# Allegro board RK_TABLET_DEMO1_RK3576_LP4XD200P132SD6_V12_20240530YWQ.brd (continued)
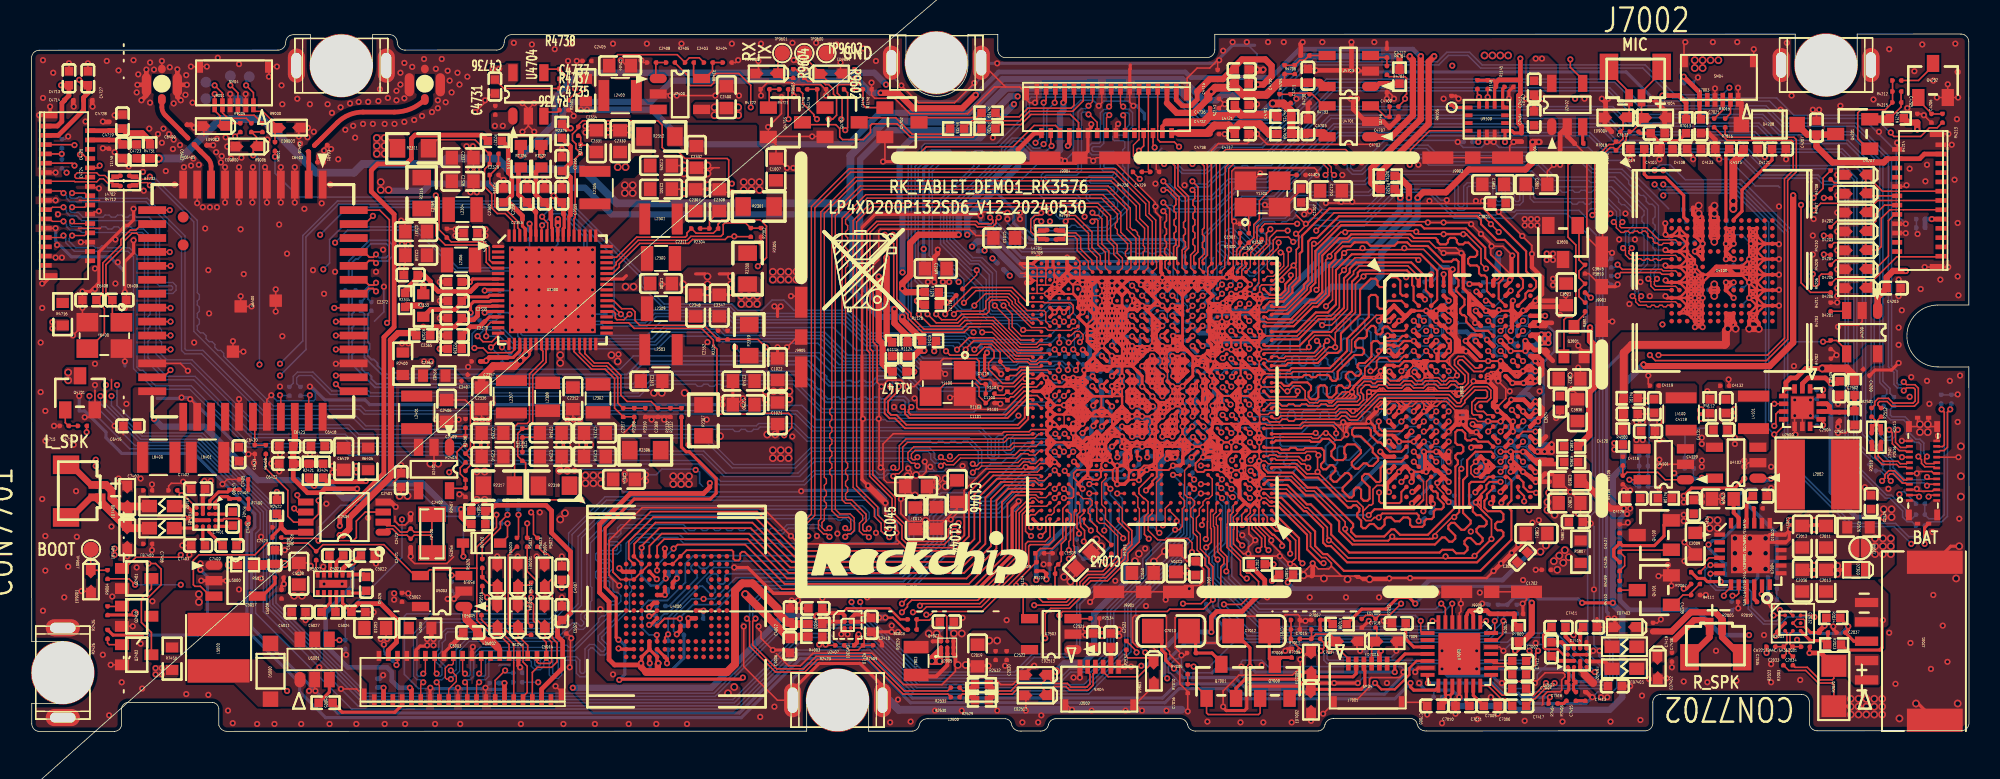
[diagram p0: board, top side]
## Routing (per net, layer and track width the routed paths; a pad name or vN(x,y) marks a point on that pad's centre or on a via; arc(x,y) is an arc through that point) (continued)
VBAT_N: length 16
  TOP w0.089: 114.43,7.16 114.34,7.24 113.9,7.24 U2003.B2 113.9,6.74 114.43,6.74 114.43,7.16
  TOP w0.102: R2020.2 116.29,3.43 116.19,3.33 115.4,3.33 114.58,4.14 113.79,4.14 R2003.1
  TOP w0.203: C2035.1 v1(111.95,5.07) ; v1(114.72,5.07) 114.72,5.45 C2034.2 ; 114.43,6.74 114.79,6.38 C2032.2
  TOP w0.305: C2032.2 115.36,6.49 v1(115.7,6.83) 115.7,7.19 115.81,7.3 R2024.1 ; R2020.2 115.46,5.07 v1(114.72,5.07)
  L4-SIG w0.305: v1(111.95,5.07) v1(114.72,5.07) 114.72,5.85 v1(115.7,6.83)
VBAT_P: length 44.9
  TOP w0.203: R2023.1 117.12,5.26 119.26,5.26 119.41,5.41 119.41,7.04
  TOP w0.406: R4216.1 121.08,39.33 C4206.1 v1(121.68,38.89)
  L4-SIG w0.406: v1(119.46,7.19) 123.78,11.51 123.78,19.43 122.81,20.4 119.21,20.4 118.6,21.01 118.6,23.55 119.87,24.82 119.87,33.1 120.12,33.35 120.12,36.25 121.68,37.8 v1(121.68,38.89)
VBUS_TYPEC: length 131.5
  TOP w0.203: v1(122.15,12.12) 122.15,13.17 J2501.28 ; R2330.1 41.94,18.36 42.24,18.06 42.45,18.06 44.17,16.33 44.17,15.38 43.8,15.01 38.89,15.01 37.01,13.13 37.01,9.32 37.72,8.61 37.72,6.07 v1(37.87,5.92) ; v1(37.93,3.33) 37.98,3.38 45.8,3.38 v1(45.9,3.48)
  TOP w0.305: C2502.1 116.52,22.48 v1(116.11,22.48) 115.75,22.83 114.63,22.83 114.26,22.46 U2500.2
  L4-SIG w0.203: v1(122.15,12.12) 122.15,11.25 119.36,8.46 114.96,8.46 113.28,6.78 104.52,6.78 101.17,3.43 100.41,3.43 98.58,1.6 96.14,1.6 96.04,1.7 77.9,1.7 77.4,1.19 75.57,1.19 74.7,2.06 59.11,2.06 56.52,4.65 49.1,4.65 48.39,3.94 46.36,3.94 v1(45.9,3.48)
  BOTTOM w0.203: v1(37.93,3.33) 38.28,3.68 38.28,5.56 37.93,5.92 v1(37.87,5.92)
  BOTTOM w0.305: v2(119.51,13.84) 117.73,13.84 116.11,15.47 v1(116.11,22.48)
  vias: v2(108.28,13.64) v2(108.28,13.13) v2(108.79,13.64) v2(108.79,13.13) v2(119.51,14.35) v2(120.02,14.35) v2(120.02,13.84)
VCC1V2_UFS_VCCQ_S0: length 13.4
  TOP w0.203: U4100.B4 U4100.B5 ; U4100.B4 U4100.A5 ; U4100.B4 U4100.C5 ; U4100.B4 U4100.A4 ; U4100.B4 U4100.C4 ; U4100.B5 U4100.C4 ; U4100.B5 U4100.A5 ; U4100.B5 U4100.C5 ; U4100.B5 U4100.A4 ; U4100.C4 U4100.C5 ; U4100.C4 v1(107.83,31.5) ; U4100.A5 U4100.A4 ; U4100.A5 107.83,33.22 107.63,33.42 107.6,33.42 v2(107.57,33.45) 107.57,33.44 107.67,33.34 U4100.A4 ; U4100.A4 107.33,33.28 107.23,33.38 ; U4100.C5 v1(107.83,31.5) ; v1(107.83,31.5) U4100.E5 ; v1(107.83,31.5) v1(107.33,31) ; U4100.E5 U4100.F5 v1(107.33,31) ; U4100.E5 v1(107.33,31)
  TOP w0.254: v2(107.57,33.96) 107.45,33.83 107.2,33.83 107.2,33.4 107.23,33.38 107.5,33.38 v2(107.57,33.45) 107.62,33.45 107.64,33.47
  vias: v2(107.72,20.75) v2(107.72,20.24)
VCC1V8_EMMC_S0: length 82.1
  TOP w0.203: v1(40.45,4.4) 40.37,4.48 U4000.P5 U4000.N4 U4000.P3 39.37,4.44 v1(39.33,4.4) ; U1000.1J20 v1(67.82,19.27) ; U4000.C6 40.87,9.94 v1(40.92,9.88)
  TOP w0.279: U4000.M4 U4000.N4
  TOP w0.305: v1(43.77,16.04) 43.77,15.77 43.36,15.37 38.64,15.37 36.66,13.39 36.66,8.97 37.26,8.36 37.26,4.65 37.62,4.29 39.22,4.29 v1(39.33,4.4)
  TOP w0.406: 40.41,3.83 40.41,4.37 v1(40.45,4.4) ; v1(39.33,4.4) 39.33,4.16 39.65,3.83
  TOP w0.508: 39.65,3.83 44.88,3.83 45.39,4.34 45.39,9.1 45.86,9.57 46.52,9.57 48.14,7.95 48.14,7.7 48.79,7.04 C4002.1 49.06,6.93 R4002.1
  L4-SIG w0.203: 64.71,19.28 65.17,18.82 67.37,18.82 v1(67.82,19.27)
  L4-SIG w0.305: v1(40.92,9.88) 40.92,9.73 40.57,9.37 40.41,9.37 39.35,8.31 39.35,4.42 v1(39.33,4.4) ; v1(43.77,16.04) 43.79,16.07 48.53,16.07 48.97,16.51 51.56,16.51 54.33,19.28 64.71,19.28
  BOTTOM w0.152: v1(40.92,9.88) 40.47,9.42 39.96,9.42 39.35,10.03 R4001.1
  BOTTOM w0.203: R4000.1 40.35,4.51 v1(40.45,4.4) 40.45,3.97 C4001.1 41.29,3.95 42.09,4.75 R4006.1
  BOTTOM w0.305: v1(40.92,9.88) 41.1,10.06 C4000.1 ; C1308.1 67.84,19.25 v1(67.82,19.27)
VCC1V8_LCD: length 25.9
  TOP w0.305: J5000.3 v1(22.71,2.82) ; J5000.29 v1(30.51,3.12)
  TOP w0.508: U5000.5 14.64,10.81 C5018.1 v2(16.34,10.81)
  L4-SIG w0.508: v1(30.51,3.12) 30.51,3.2 29.01,4.7 24.97,4.7 23.09,2.82 v1(22.71,2.82) 21.21,2.82 15.67,8.36 15.67,10.29 16.2,10.81 v2(16.34,10.81)
  BOTTOM w0.305: C5019.1 22.68,2.85 v1(22.71,2.82) ; C5020.1 v1(30.51,3.12)
VCC1V8_UFS_VCCQ2_S0: length 16.6
  TOP w0.203: U4100.C7 U4100.C6 ; U4100.C7 108.83,31.88 v2(108.58,31.63) 108.33,31.88 U4100.C6 ; U4100.C7 U4100.B6 ; U4100.C7 U4100.B7 ; U4100.C6 U4100.B6 ; U4100.C6 U4100.B7 ; U4100.B6 U4100.A6 ; U4100.B6 U4100.A7 ; U4100.B6 U4100.B7 ; U4100.A6 108.33,33.39 ; U4100.A6 U4100.A7 ; U4100.A6 U4100.B7 ; U4100.K6 108.33,28.38 v2(108.58,28.13) 108.83,28.38 U4100.K7 ; U4100.K6 U4100.K7 ; U4100.K6 108.33,28.63 v2(108.58,28.88) 108.83,28.63 U4100.K7 ; U4100.A7 108.83,33.21 v2(108.59,33.45) ; U4100.A7 U4100.B7 ; v1(106.61,15.21) 107.11,15.72 109.91,15.72 v1(110.52,16.33)
  TOP w0.254: 108.33,33.39 108.53,33.39 v2(108.59,33.45) v2(108.59,33.96) 108.46,33.83 108.33,33.83 108.33,33.39
  vias: v1(106.61,14.81)
VCC3V3_EMMC_S0: length 15
  TOP w0.254: U4000.E6 v1(40.87,8.82)
  TOP w0.279: U4000.K9 42.37,7.29 v1(42.38,7.3) 42.39,7.31 U4000.J10 ; U4000.F5 40.85,8.81 v1(40.87,8.82)
  TOP w0.508: v2(46.05,8.86) 47.53,7.39 47.53,7.38 C4006.1 49.08,6.12 R4003.1
  L4-SIG w0.406: v1(40.87,8.82) 41.47,8.82 42.38,7.92 v1(42.38,7.3) 42.44,7.24
  L4-SIG w0.508: v2(46.05,8.86) 45.39,8.86 43.77,7.24 42.44,7.24
  BOTTOM w0.254: 42.4,7.28 42.39,7.29
  BOTTOM w0.305: v1(42.38,7.3) 42.39,7.29 C4004.1 ; v1(40.87,8.82) 41.03,8.99 C4005.1
VCC3V3_LCD: length 4.4
  TOP w0.305: J5000.28 30.21,5.3 30.05,5.46
  TOP w0.508: 30.05,5.46 29.7,5.82 29.33,5.82 C5003.1 28.76,6.55 28.07,7.24 28.07,7.89 U5003.1
VCC3V3_SD_S0: length 9.5
  TOP w0.305: J4201.9 v1(122.61,33.09)
  TOP w0.406: v1(120.93,29.74) 120.11,29.74 119.7,29.34 C4203.1 119.12,28.05 U4200.1
  L4-SIG w0.406: v1(120.93,29.74) 122.61,31.42 v1(122.61,33.09)
  BOTTOM w0.305: v1(122.61,33.09) 122.61,33.1 C4204.1 C4201.1
VCC5V0_USB3_HOST1: length 1.3
  TOP w0.305: J2502.5 69.65,5.42 C2523.1
VCC_1V1_NLDO_S3: length 2.6
  TOP w0.203: v1(29.24,28.48) 29.24,28.48 29.29,28.52 U2300.9 ; U2300.13 29.31,27.12 v1(29.24,27.05)
  BOTTOM w0.305: C2371.1 29.24,28.47 v1(29.24,28.48) ; C2364.1 v1(29.24,27.05)
  vias: v1(25.33,23.9) v1(25.78,23.9)
VCC_1V1_NLDO_S3_P: length 6.3
  TOP w0.102: C2402.1 28,16.87 28.32,17.2 28.32,17.62 R2403.1 28,17.99 28.32,18.31 28.32,21.07 27.98,21.41 C2406.1
VCC_1V2_CAM: length 100.6
  TOP w0.102: 80.85,41.9 C4710.1 R4705.1
  TOP w0.203: 75.92,40.92 75.97,40.87 C4726.1
  TOP w0.305: 73.26,40.58 J4701.3 ; J4702.3 1.73,38.5 3.36,40.14 C4728.1 3.36,40.95 3.68,41.27 3.68,41.7 C4727.1 3.42,41.74 v1(3.08,42.09)
  TOP w0.406: 75.92,40.92 75.92,40.87 75.01,39.95 73.89,39.95 73.26,40.58
  TOP w0.508: U4703.5 83.37,41.66 83.12,41.9 C4711.1 80.46,41.9 79.68,41.12 78.2,41.12 77.64,41.68 C4725.1 77.51,41.84 77.24,41.58 76.38,41.58 v1(76.13,41.33) 75.92,41.13 75.92,40.92
  L4-SIG w0.406: v1(76.13,41.33) 68.26,41.33 66.93,40 64.32,40 63.43,39.12 54.43,39.12 51.26,42.29 29.85,42.29 23.6,36.04 21.62,36.04 18.17,39.5 6.73,39.5 4.14,42.09 v1(3.08,42.09)
VCC_1V8_CAM: length 105
  TOP w0.102: C4715.1 76.53,42.14 ; R4737.1 C4737.1 30.48,41.53 C4736.1
  TOP w0.305: v1(1.91,41.74) C4713.1 2.42,41.07 2.14,40.8 C4714.1 1.96,40.58 1.96,39.39 1.67,39.1 J4702.1 ; J4701.1 73.86,40.8 74.25,40.41 74.81,40.41 75.21,40.82 75.21,41.33
  TOP w0.406: 75.21,41.33 76.03,42.14 76.89,42.14 77.51,42.76 C4716.1 77.64,42.94 78.11,43.41 79.61,43.41 80.01,43 80.01,42.32 79.48,41.78 v1(79.12,41.78)
  L4-SIG w0.406: v1(79.12,41.78) 79.07,41.84 65.26,41.84 64.24,40.82 64.24,40.64 63.22,39.62 54.69,39.62 51.51,42.8 v1(30.17,42.8) v1(29.77,42.8) 29.64,42.8 23.39,36.55 21.84,36.55 18.38,40 6.99,40 4.4,42.6 2.76,42.6 v1(1.91,41.74)
VCC_1V8_S3: length 213.2
  TOP w0.152: v1(55.1,7.35) 55.57,7.35 56.34,6.58 R2029.1
  TOP w0.203: R1146.1 R1145.1 94.36,42.06 94.49,41.93 ; Q4100.2 105.64,13.63 105.34,13.33 105.34,12.62 104.72,12 102.66,12 102.51,12.15 C4125.1 102.09,11.76 102.09,11.32 R4109.1 ; v1(93.35,38.07) 93.41,38.13 U9100.5 ; v1(95.08,38.07) 95.08,38.79 U9100.8 95.52,38.8 95.66,38.65 96.14,38.65 C9104.1 ; U9100.12 94.41,41.55 94.49,41.63
  TOP w0.254: 53.72,7.08 U2407.A2 52.86,7.29 53.11,7.54 53.97,7.54 C2410.1
  TOP w0.305: v1(66.58,40.61) 66.66,40.7 J4701.25 ; C9104.1 96.14,39.09 95.94,39.29 95.94,41.07 96.07,41.2 96.07,42.09 ; R5025.1 28.17,13.39 27.71,13.84 v1(27.71,14.35) ; 94.49,41.63 94.49,41.93 94.52,41.93 94.67,42.09 96.07,42.09 ; 96.07,42.09 v1(96.07,43.46)
  TOP w0.406: R1125.2 56.43,28.37 v1(56.19,28.61) 56.19,28.96 56.7,29.46 56.7,31.55 57.23,32.08 v1(59.82,32.08) ; R1141.2 57.46,25.3 56.19,26.58 v1(56.19,26.78) ; C3820.1 100.16,16.18 100.16,16.13 101.88,14.4 v1(102.75,14.4) ; v1(18.24,15.88) 17.91,16.21 R2421.1
  L4-SIG w0.305: v1(93.35,38.07) 93.35,37.92 93.65,37.62 94.77,37.62 95.08,37.92 v1(95.08,38.07) ; v1(96.07,43.46) 96.57,42.95 105.13,42.95 105.89,42.19 106.3,41.78 107.72,41.78 108.69,42.75 110.6,42.75 111.28,42.07 111.28,39.41 112.57,38.12 115.54,38.12 117.88,35.78 117.88,26.38 115.92,24.41 115.29,24.41 114.84,23.95 114.84,23.34 115.24,22.94 116.36,22.94 116.72,22.58 116.72,22.22 119,19.94 120.93,19.94 121.24,19.63 121.24,19.13 121.54,18.82 122.51,18.82 123.32,18.01 123.32,11.7 119.68,8.05 115.06,8.05 113.62,6.61 113.62,6.6 112.63,5.61 111.43,5.61 v1(110.82,6.22)
  BOTTOM w0.203: R1138.1 R1139.1 30.12,14.93 29.54,14.35 v1(27.71,14.35) ; C9105.1 v1(93.35,38.07)
  BOTTOM w0.305: v1(110.82,6.22) 109.05,6.22 107.42,7.85 103.1,7.85 102.49,8.46 102.49,13.74 102.8,14.05 v1(102.95,14.05)
  BOTTOM w0.406: v1(56.19,28.61) v1(56.19,26.78) 54.68,26.78 52.96,28.5 52.96,32.99 52.56,33.4 37.42,33.4 35.7,35.12 29.76,35.12 29.49,35.38 25.73,35.38 25.28,34.92 23.09,34.92 v2(23.04,34.98) ; v1(66.58,40.61) 66.58,40.11 66.36,39.89 66.36,37.55 65.92,37.11 64.39,37.11 63.88,37.62 63.35,37.62 63.15,37.41 63.15,36.73 59.82,33.4 v1(59.82,32.08) ; v1(7.9,20.19) 8.41,19.68 11.15,19.68 14.61,16.23 17.15,16.23 17.49,15.88 v1(18.24,15.88) 19.32,15.88 20.15,15.06 21.36,15.06 22.33,16.03 25.23,16.03 26.9,14.35 v1(27.71,14.35) ; v1(54.69,7.35) v1(55.1,7.35)
  vias: v1(103.15,14.4) v1(106.61,13.99) v1(106.61,13.59) v2(22.53,35.48) v2(22.53,34.98)
VCC_1V8_S3_P: length 8
  TOP w0.102: U2300.5 29.72,29.92 29.34,30.3 29.34,31.17 29.09,31.42 26.7,31.42 26.09,32.03 26.09,33.67 25.99,33.77 R2316.2
VCC_2V0_PLDO_P: length 7
  TOP w0.102: R2404.1 43.09,43.51 42.45,43.51 42.17,43.23 C2403.1 41.66,43.71 37.82,43.71 37.28,43.17 C2404.1
VCC_2V0_PLDO_S3: length 60
  TOP w0.203: v1(33.96,32.68) 33.96,32.68 U2300.59
  TOP w0.406: v1(33.96,33.09) 33.96,32.7 ; R4703.1 v1(88.27,43.61)
  BOTTOM w0.305: C2354.1 v1(33.96,32.68)
  BOTTOM w0.406: v1(35.44,40.16) v1(35.85,40.16) 40.03,40.16 42.27,37.92 52.71,37.92 54.74,39.95 60.47,39.95 62.66,42.14 74.25,42.14 75.62,40.77 76.48,40.77 76.84,41.12 79.58,41.12 82.07,43.61 v1(88.27,43.61) ; v1(33.96,32.68) v1(33.96,33.09)
  vias: v1(23.9,25.07) v1(24.31,25.07)
VCC_2V8_AF: length 9.5
  TOP w0.102: 77.64,40.5 C4721.1 77.64,40.22
  TOP w0.254: J4701.4 72.96,39.08 73.23,39.34 ; 76.03,39.75 76.05,39.78 C4722.1
  TOP w0.508: 77.85,40 77.64,40.22 ; 77.85,40 78.03,39.83 80.26,39.83 R4713.2 ; 77.85,40 77.6,40 77.35,39.75 76.03,39.75 75.62,39.34 73.23,39.34
VCC_2V8_AF3: length 3.1
  TOP w0.305: J4702.4 5,38.2 C4724.1 5.59,38.2 C4723.1
  TOP w0.406: R4732.2 C4723.1
VCC_2V8_CAM: length 8.1
  TOP w0.305: 75.84,38.65 75.91,38.58 C4718.1 ; J4701.2 74.04,38.65
  TOP w0.508: 77.64,38.74 77.64,38.91 77.96,39.22 79.24,39.22 79.88,38.59 R4709.2 ; 77.64,38.74 77.24,39.14 76.33,39.14 75.84,38.65 74.04,38.65 ; 77.64,38.74 C4717.1
VCC_2V8_CAM3: length 4.5
  TOP w0.305: C4719.1 5.74,38.82 C4720.1 4.99,38.8 J4702.2
  TOP w0.406: R4731.2 7.65,38.12 7.14,38.63 6.18,38.63 C4719.1
VCC_2V8_CAM_P: length 89.4
  TOP w0.102: R4730.1 C4701.1 80.13,40.6 v2(80.09,40.56)
  TOP w0.508: U4701.5 83.35,38.65 C4703.1 82.3,38.59 R4709.1 R4713.1 81.28,40.06 80.78,40.56 v2(80.09,40.56) ; R4732.1 R4731.1 8.2,37.01 v2(8.21,37.01)
  BOTTOM w0.508: v2(8.21,37.01) 9.63,37.01 12.17,39.55 14.91,39.55 18.37,36.09 20.81,36.09 21.36,36.65 26.44,36.65 26.8,37.01 30.05,37.01 30.74,36.32 35.56,36.32 37.77,34.11 52.33,34.11 52.83,34.62 52.83,37.19 55.04,39.39 60.7,39.39 62.89,41.58 73.94,41.58 75.62,39.9 79.43,39.9 v2(80.09,40.56)
VCC_3V3_S0: length 127.5
  TOP w0.102: 51.13,5.56 R2423.1 ; 51.02,5.87 51.02,5.71 50.92,5.61 v1(50.83,5.61) ; 51.02,5.87 51.03,5.87 51.03,5.71 51.13,5.61 v1(51.23,5.61) ; 51.02,5.87 R4003.2
  TOP w0.229: U1000.2N3 v1(74.92,26.2)
  TOP w0.305: J4701.30 64.72,38.65 63.66,37.59 v1(63.66,37.11)
  TOP w0.406: v1(89.44,34.47) 89.79,34.82 91.27,34.82 92.74,36.3 96.4,36.3 96.85,36.75 v1(96.85,38.07) v1(97.26,38.07) 97.31,38.07
  L3-POWER w0.406: v1(50.83,5.61) v1(51.23,5.61) 53.57,5.61 54.79,4.39 56.67,4.39 58.19,2.87 83.29,2.87 83.34,2.92
  L4-SIG w0.089: 75.89,27.18 75.71,27.18 75.7,27.17 ; 75.89,27.18 75.89,27.36 ; 75.89,27.18 75.89,26.98 ; 75.89,27.63 75.89,27.36 ; 75.89,27.63 75.71,27.81 ; 75.89,27.63 75.89,27.81 ; 75.89,27.36 75.7,27.17 ; 75.24,27.3 75.37,27.17 ; 75.24,27.3 75.24,27.63 ; 75.24,27.3 75.24,27.18 ; 75.37,27.17 75.43,27.17 ; 75.37,27.17 75.36,27.17 75.24,27.05 ; 75.24,27.63 75.24,27.81 ; 75.24,27.63 75.42,27.81 ; 75.89,28.28 75.7,28.47 ; 75.89,28.28 75.89,27.94 ; 75.89,28.28 75.89,28.57 ; 75.7,28.47 75.79,28.47 75.89,28.57 ; 75.7,28.47 75.43,28.47 ; 75.42,27.81 75.37,27.81 ; 75.42,27.81 75.43,27.82 75.7,27.82 75.71,27.81 ; 75.37,27.81 75.24,27.94 ; 75.37,27.81 75.24,27.81 ; 75.24,27.81 75.24,27.94 ; 75.71,27.81 75.76,27.81 ; 75.7,27.17 75.43,27.17 ; 75.7,27.17 75.7,27.17 ; 75.43,27.17 75.43,27.18 75.24,27.18 ; 75.43,28.47 75.24,28.47 ; 75.43,28.47 75.24,28.28 ; 75.24,28.47 75.24,28.47 75.24,28.28 ; 75.24,28.47 75.24,28.61 75.16,28.69 75.16,29.26 75.36,29.46 ; 75.24,27.94 75.24,28.28 ; 75.24,27.18 75.24,27.05 ; 75.76,27.81 75.89,27.81 ; 75.76,27.81 75.89,27.94 ; 75.7,27.17 75.89,26.98 ; 75.89,26.98 75.89,26.71 75.7,26.52 75.24,26.52 75.24,27.05 ; 75.89,27.81 75.89,27.94 ; 75.89,28.57 75.89,28.94 75.49,29.34
  L4-SIG w0.102: 75.49,29.34 75.36,29.46
  L4-SIG w0.33: v1(74.92,26.2) 75.24,26.52
  L4-SIG w0.406: 75.72,29.39 75.72,30.05 73.84,31.93 68.13,31.93 67.73,32.33 60.79,32.33 60.53,32.08 v1(60.38,32.08)
  BOTTOM w0.203: R1803.1 R1802.1 108.21,11.86 v1(108.21,12.06) 108.46,12.32 109.02,12.32 110.16,13.46 110.16,15.27 110.54,15.65 R4115.1 ; R2514.2 74.4,31.57 74.2,31.77 64.44,31.77 63.38,32.84 63.38,33.71 62.26,34.82 62,34.82
  BOTTOM w0.229: C1802.1 74.66,26.45 v1(74.92,26.2)
  BOTTOM w0.305: R1412.2 60.53,32.23 v1(60.38,32.08) ; v1(74.92,26.2) 74.92,26.18 75.36,25.73 75.92,25.73 76.48,25.17 79.63,25.17 80.04,25.58 80.04,25.88
  BOTTOM w0.406: v1(89.44,34.47) 89.44,33.25 87.1,30.91 87.1,29.49 86.34,28.73 83.9,28.73 82.98,27.81 81.97,27.81 80.04,25.88 ; v1(63.66,37.11) 63.66,36.47 60.38,33.2 v1(60.38,32.08)
  vias: v1(102.14,18.62) v1(102.14,18.21)
VCC_3V3_S3: length 76
  TOP w0.203: v1(7.34,6.22) 5.26,6.22 4.93,6.55 R2426.2 ; U2500.3 113.19,22.12 113.05,21.98 U2500.4 ; C4702.1 87.61,38.4 ; 116.11,23.44 C2505.1
  TOP w0.305: v2(28.73,14.96) 28.38,14.61 R5024.1 ; 113.19,22.12 113.19,22.53 113.5,22.83 113.87,22.83 114.48,23.44 v2(115.55,23.44) ; v1(66.87,37.82) 66.96,37.92 J4701.24
  TOP w0.406: v1(88.93,43.61) 88.93,43.56 89.13,43.36 89.13,39.8 87.73,38.4 U4701.1
  TOP w0.508: R2501.1 117.63,22.94 117.12,23.44 v2(115.55,23.44)
  L4-SIG w0.406: v1(97.06,43.46) 96.3,44.22 89.43,44.22 88.93,43.71 v1(88.93,43.61)
  L4-SIG w0.508: v1(97.06,43.46) v1(97.46,43.46) 97.97,43.97 110.32,43.97 111.79,42.49 111.79,39.65 112.8,38.63 115.75,38.63 118.39,35.99 118.39,25.44 116.4,23.44 v2(115.55,23.44)
  BOTTOM w0.203: v1(7.34,6.22) 10.75,6.22 11.36,6.83 11.36,9.98 v1(10.9,10.44)
  vias: v1(1.35,26.44) v1(1.35,26.03) v1(5.36,11.81) v1(5.36,11.4) v1(10.9,10.85) v1(20.96,17.14) v1(20.96,16.74) v1(23.4,8.91) v1(23.4,8.51) v1(29.9,39.12) v1(30.41,39.12) v2(28.73,16.79) v2(29.24,16.79) v2(29.24,14.96) v2(37.82,36.45) v2(38.33,36.45)
VCC_3V3_S3_P: length 10.3
  TOP w0.102: R2317.1 31.17,15.89 31.17,19.68 31.37,19.89 31.98,19.89 32.13,20.04 32.13,23.09 33,23.95 33,24.56 32.91,24.65 U2300.24
VCC_5V0: length 3.3
  TOP w0.254: U2005.A1 U2005.A2 58.69,5.42 58.09,4.83 v2(58.09,4.55) ; U2005.A1 58.69,4.74 58.6,4.65 v2(58.6,4.55) ; U2005.A1 58.62,5.02 58.22,4.62 58.22,4.55
  TOP w0.508: v2(58.09,4.55) v2(58.6,4.55)
  vias: v2(61.8,5.87) v2(62.31,5.87)
VCC_RTC: length 3.6
  TOP w0.203: C2423.1 15.55,12.63 R2428.1
  TOP w0.305: U2404.8 16.42,12.87 C2423.1 16.1,13.78 R2422.1
VCC_SPK_AMP: length 93
  TOP w0.254: 100.21,3.68 99.93,3.96 U7402.A3 U7402.B3 ; U7400.B3 U7400.A3 11.06,15.53 C7402.1
  TOP w0.508: 100.76,3.12 100.21,3.68
  L3-POWER w0.813: 6.99,4.5 8.36,3.12 8.97,3.12 ; 6.99,4.5 7.6,4.5 v1(8,4.09) v1(8.41,3.68) 8.97,3.12 ; 6.99,4.5 4.14,7.34 v1(4.14,17.14) v1(4.14,17.55) ; 8.97,3.12 12.98,3.12 14.86,1.24 46.05,1.24 49.71,4.9 53.27,4.9 54.51,3.66 56.29,3.66 57.84,2.11 75.62,2.11 75.72,2.01
  vias: v1(8,3.68) v1(8.41,4.09) v1(11.15,16.18) v1(11.56,16.18) v1(101.27,2.21) v1(101.68,2.21)
VCC_SPK_CP_L: length 1.3
  TOP w0.203: U7400.D3 11.06,12.16 C7403.1
VCC_SPK_CP_R: length 1.4
  TOP w0.254: C7414.1 99.93,6.55 U7402.D3
VCC_SYSIN: length 20.4
  TOP w0.102: C2401.1 23.85,15.32 v2(23.75,15.21) ; 100.58,28.02 v1(100.61,28.02)
  TOP w0.203: v2(6.68,7.64) 6.56,7.52 R2425.1 ; v1(28.27,29.03) 28.47,29.22 U2300.7 ; U2300.21 31.86,24.54 31.99,24.41 32.21,24.63 U2300.22 ; U2300.64 32.21,32.72 v1(32.13,32.79) ; R3810.1 100.58,28.02
  TOP w0.254: v2(58.4,6.32) 58.69,6.03 U2005.A3 58.15,5.82 58.14,5.82
  TOP w0.305: R2422.2 v1(15.83,15.47)
  TOP w0.406: C2335.1 v1(28.27,29.03)
  TOP w0.508: 31.99,24.41 v2(31.91,24.33) v2(31.52,23.95) 31.52,23.95 31.17,23.6 29.8,23.6 29.04,22.83 C2336.1
  L4-SIG w0.203: v1(105.24,26.29) 103.15,26.29 101.43,28.02 v1(100.61,28.02)
  BOTTOM w0.203: v2(31.52,23.95) 31.37,23.8 R2324.1
  BOTTOM w0.305: C2015.1 58.68,6.61 v2(58.4,6.32) ; C2359.1 v1(32.13,32.79)
  vias: v1(29.29,32.44) v1(29.29,32.03) v1(37.87,24.36) v1(103.56,18.82) v1(103.97,18.82) v1(107.78,18.97) v1(107.78,18.57) v2(10.8,8.86) v2(10.8,8.36) v2(16.94,8.76) v2(17.45,8.76) v2(24.26,15.21) v2(34.12,24.31) v2(34.12,23.8) v2(34.12,13.69) v2(34.42,14.1) v2(37.42,24.31) v2(37.82,23.9) v2(38.28,35.28) v2(38.28,34.77) v2(38.33,28.73) v2(38.79,35.28) v2(38.79,34.77) v2(38.84,28.73) v2(44.07,40.31) v2(44.07,39.8) v2(44.94,2.46) v2(45.34,2.87) v2(45.6,40.31) v2(45.6,39.8) v2(57.89,6.32) v2(93.75,43.66) v2(94.26,43.66) v2(94.77,43.66) v2(95.28,43.66) v2(107.32,43.36) v2(107.32,42.85) v2(107.83,43.36) v2(107.83,42.85) v2(108.33,43.36) v2(108.84,43.36) v2(118.95,12.47) v2(118.95,11.96) v2(118.95,11.45) v2(119.46,12.47) v2(119.46,11.96) v2(119.46,11.45) v2(119.97,12.47) v2(119.97,11.96) v2(119.97,11.45)
VCC_TP: length 19.3
  TOP w0.305: R5025.2 R5024.2 29.33,14.3 29.59,14.3 29.9,14.6 33.2,14.6 33.56,14.25 33.56,12.83 34.78,11.61 34.78,7.64 34.33,7.19 C5021.1 33.94,6.92 C5014.1 33.94,6.14 34.27,5.82 34.27,4.09 32.91,2.74 J5000.37
VCC_UFS1V2_S0_P: length 6.3
  BOTTOM w0.102: R4113.1 C4130.1 106.69,19.51 106.76,19.58 107.93,19.58 108.18,19.84 108.18,21.92 v1(108.13,21.97)
VCC_UFS_S0: length 35.2
  TOP w0.152: U4100.C8 v1(109.83,31.5) ; U4100.C8 U4100.B8 ; U4100.C8 U4100.C9 ; U4100.C8 U4100.B9 ; U4100.B8 U4100.C9 ; U4100.B8 U4100.B9 ; U4100.C9 U4100.B9 ; U4100.C9 v1(109.33,31.5)
  TOP w0.203: U4100.P9 U4100.N8 ; U4100.P9 U4100.P8 ; U4100.P9 109.96,26.38 v2(109.96,26.01) 109.82,26.01 ; U4100.P9 U4100.N9 ; U4100.P9 109.33,26.01 v2(109.45,26.01) ; U4100.N8 U4100.N9 ; U4100.N8 U4100.P8 ; U4100.N9 U4100.P8 ; v2(109.45,26.01) 109.33,26.13 U4100.P8 ; v2(109.45,26.01) 109.82,26.01 ; v1(109.83,31.5) U4100.E8 v1(109.83,30.5) ; U4100.P8 109.82,26.01 ; v1(109.83,29) U4100.K8 v1(109.83,28)
  TOP w0.254: v1(109.83,30.5) v1(109.33,30.5) U4100.E8 v1(109.33,31.5) ; v1(109.33,31.5) U4100.C8 ; v1(109.33,31.5) v1(109.83,31.5) U4100.C9 ; U4100.K8 v1(109.33,29) v1(109.83,29)
  TOP w0.508: v2(109.45,26.01) 109.33,25.88 109.33,25.05 109.25,24.97 103.24,24.97 102.74,24.46 R4101.2 102.68,21.47 R4100.2 ; v2(109.81,33.76) v2(109.81,34.26) 109.81,36.75 110.42,37.36 110.42,37.56 C4115.1
VCCA1V8_PLDO2_S0: length 32.7
  TOP w0.203: U2300.58 34.31,32.47 34.37,32.54 34.37,33.35 34.32,33.4
  TOP w0.305: v1(33.68,34.61) 33.68,34.57 34.08,34.17 C2355.1 34.32,34.07 34.32,33.4
  TOP w0.406: R1147.2 55.43,23.24 54.92,23.75 54.92,25.03 54.66,25.29 v1(54.66,29.38)
  L4-SIG w0.406: v1(54.66,29.38) 52.08,29.38 50.42,31.04 39.12,31.04 37.77,32.38 35.91,32.38 v1(33.68,34.61)
VCCA1V8_PLDO6_S3: length 137.5
  TOP w0.203: U2300.20 31.51,24.58 31.08,24.15 30.71,24.15
  TOP w0.305: C2357.1 29.29,23.9 v1(29.34,23.95) 29.54,24.15 30.71,24.15 ; v1(21.57,16.18) 21.52,16.13 19.09,16.13 R2424.1
  TOP w0.406: R1126.2 57.41,27.56 57.15,27.81 v1(57.14,27.81) ; R1124.1 56.52,25.53 55.68,26.37 v1(55.68,27.28) ; v1(100.56,26.09) 100.56,25.22 100.87,24.92 100.87,22.28 100.51,21.92 100.51,19.13 R3812.2
  L3-POWER w0.406: v1(91.67,43) 91.67,42.44 90.6,41.38 90.6,38.73 94.21,35.13 96.4,35.13 101.12,30.4 101.12,26.64 v1(100.56,26.09)
  L4-SIG w0.406: v1(63.63,41.02) 64.95,42.34 77.3,42.34 78.21,43.26 86.19,43.26 86.85,42.6 90.25,42.6 90.66,43 v1(91.67,43) ; v1(21.57,16.18) 27.21,16.18 27.56,16.53 27.56,19.23 28.12,19.79 28.12,22.73 v1(29.34,23.95) 30.38,22.91 50.4,22.91 54.77,27.28 v1(55.68,27.28) 56.29,27.28 56.82,27.81 v1(57.14,27.81)
  BOTTOM w0.406: v1(55.68,27.28) 55.07,27.28 53.47,28.88 53.47,36.96 55.35,38.83 60.93,38.83 63.12,41.02 v1(63.63,41.02)
VCCA3V3_CODEC: length 174.2
  TOP w0.203: U7000.16 91.23,2.4 v1(91.42,2.21) 91.68,2.47 U7000.17 ; R7008.2 85.83,7.9 87.41,7.9 88.17,8.66 88.88,8.66 v1(89.28,8.25) ; v1(102.03,8.31) v1(100.05,8.31)
  TOP w0.305: R7013.1 106.76,40.61 106.3,41.07 v1(105.24,41.07)
  TOP w0.406: v1(31.55,37.21) 31.58,37.24 R2326.2 ; v1(113.67,34.62) 113.67,25.12 112.14,23.6 104.12,23.6 v1(104.02,23.7) ; C7000.1 90.95,1.75 v1(91.42,2.21)
  L3-POWER w0.406: v1(99.6,40.87) 98.73,40 93.14,40 92.59,40.56 92.59,43.1 92.18,43.51 91.44,43.51 91.04,43.1 87,43.1 86.74,43.36 78.92,43.36 78.26,42.69 63.68,42.69 61.29,40.31 56.61,40.31 v1(55.14,41.78)
  L4-SIG w0.406: v1(113.67,34.62) 113.31,34.62 107.32,40.61 105.69,40.61 v1(105.24,41.07) 104.63,41.68 100,41.68 99.6,41.27 v1(99.6,40.87)
  BOTTOM w0.203: v1(89.28,8.25) 90.4,9.37 96.45,9.37 97.26,8.56 99.8,8.56 v1(100.05,8.31)
  BOTTOM w0.305: C7001.1 v1(91.42,2.21)
  BOTTOM w0.406: v1(104.02,23.7) 102.7,22.38 102.7,17.09 102.03,16.43 v1(102.03,8.31) 102.03,8.2 102.64,7.59 102.64,2.21 101.83,1.4 95.58,1.4 95.33,1.65 91.82,1.65 91.42,2.06 v1(91.42,2.21) ; v1(31.55,37.21) 31.68,37.21 33.77,39.3 33.77,40.95 35.37,42.54 54.38,42.54 v1(55.14,41.78)
VCCA_1V8_S0: length 233.1
  TOP w0.102: v1(99.29,43.41) 99.29,42.9 100.09,42.1 U2402.4
  TOP w0.203: v1(71.02,26.85) U1000.2P8 ; U1000.2M2 v1(75.57,24.9)
  TOP w0.229: U1000.2H12 68.47,22.89 v1(68.47,22.95) ; U1000.2F12 68.5,21.08 v1(68.5,21.04) ; v1(68.52,19.73) 68.52,19.8 U1000.2D12 ; U1000.2N4 v1(73.62,26.2)
  TOP w0.254: C7021.1 107.63,39.64 J7003.6 ; v1(53.37,6.27) 53.27,6.17 53.27,5.74 R2409.1
  TOP w0.305: J7003.6 107.63,41.27 v1(106.61,42.29) ; R1202.1 78.67,10.69 79.57,9.79 79.57,9.21 78.11,7.75 76.48,7.75 76.13,7.39 v1(76.13,6.43)
  TOP w0.406: R1119.1 55.18,25.49 55.18,30.6 v1(55.17,30.61) ; R1323.2 86.86,35.03 86.46,35.43 86.46,36.36 89.64,39.55 v1(89.64,43.61) ; v1(54.79,41.25) 55.89,41.25 56.88,40.25 60.06,40.25 v1(60.92,41.11) ; R2322.2 v1(32.9,37.21)
  L3-POWER w0.406: v1(89.64,43.61) 90.25,44.22 96.15,44.22 96.29,44.07 98.63,44.07 v1(99.29,43.41)
  L4-SIG w0.203: v1(53.37,6.27) 53.37,6.6 55.84,9.07 61.65,9.07 63.99,6.73 65.97,6.73 66.22,6.48
  L4-SIG w0.254: 74.37,29.82 74.38,29.81 74.38,27.09 74.43,27.04 73.62,26.22 v1(73.62,26.2)
  L4-SIG w0.305: v1(60.68,31.32) 61.24,31.88 67.42,31.88 67.83,31.47 73.28,31.47 74.37,30.38 74.37,29.82 ; v1(71.61,4.24) 71.61,4.29 71.25,4.65 69.47,4.65 68.79,5.33 67.36,5.33 66.22,6.48 66.83,7.09 66.83,8.66 66.13,9.37 65.24,9.37 v1(64.83,9.78) ; v1(75.57,24.9) 75.08,24.41 74.76,24.41 74.42,24.74 74.42,25.92 74.12,26.22 73.64,26.22 v1(73.62,26.2)
  L4-SIG w0.406: v1(99.29,43.41) 105.49,43.41 v1(106.61,42.29) ; v1(60.68,31.32) 59.97,30.61 v1(55.17,30.61)
  L4-SIG w0.508: v1(55.17,30.61) 52.18,30.61 49.13,33.65 37.32,33.65 33.76,37.21 v1(32.9,37.21)
  BOTTOM w0.089: C1701.1 68.4,21.5 68.51,21.61
  BOTTOM w0.254: v1(75.57,24.9) 75.63,24.96 C1307.1
  BOTTOM w0.305: v1(68.5,21.04) 68.46,21.01 ; v1(68.5,21.04) 68.51,21.05 68.51,21.61 67.95,22.17 67.95,22.68 67.89,22.74 C1105.1 68.35,22.83 v1(68.47,22.95) 68.47,23.43 68.28,23.62 68.28,25.5 69.07,26.29 70.05,26.29 C1509.1 70.99,26.88 v1(71.02,26.85) ; v1(68.5,21.04) 68.56,20.99 68.56,20.24 ; v1(89.64,43.61) 89.59,43.61 89.13,44.07 81.82,44.07 79.99,42.24 74.81,42.24 74.45,42.6 62.4,42.6 v1(60.92,41.11) ; C1510.1 68.56,20.24 ; 68.56,20.24 68.56,19.77 v1(68.52,19.73) 68.38,19.59 68.38,17.91 67.05,16.58 67.05,13.53 64.83,11.31 v1(64.83,9.78) ; v1(106.61,42.29) 106.64,42.26 C7022.1 ; 61.09,31.65 R1409.2 ; C1402.1 73.85,26.43 v1(73.62,26.2) ; v1(71.61,4.24) 71.99,4.24 74.17,6.43 v1(76.13,6.43)
  BOTTOM w0.406: 69.01,26.24 68.56,26.69 68.56,28.98 68.05,29.49 63.83,29.49 61.67,31.65 61.01,31.65 v1(60.68,31.32) ; v1(54.79,41.25) 54.15,41.25 53.36,42.04 41.33,42.04 39.96,40.66 34.94,40.66 34.28,40 34.28,39.09 32.9,37.71 v1(32.9,37.21)